# Altium PCB HRADC_Board_v2_0.PcbDoc (part 3 of 4)
Units mm, origin at the board's own origin, x right, y up, seen from the top; angles counter-clockwise.
Board outline 160 x 100 mm, 4 copper layers (Top Layer, Power Plane, Ground Planes, Bottom Layer); 306 components, 238 nets, 1267 pads, 372 vias.
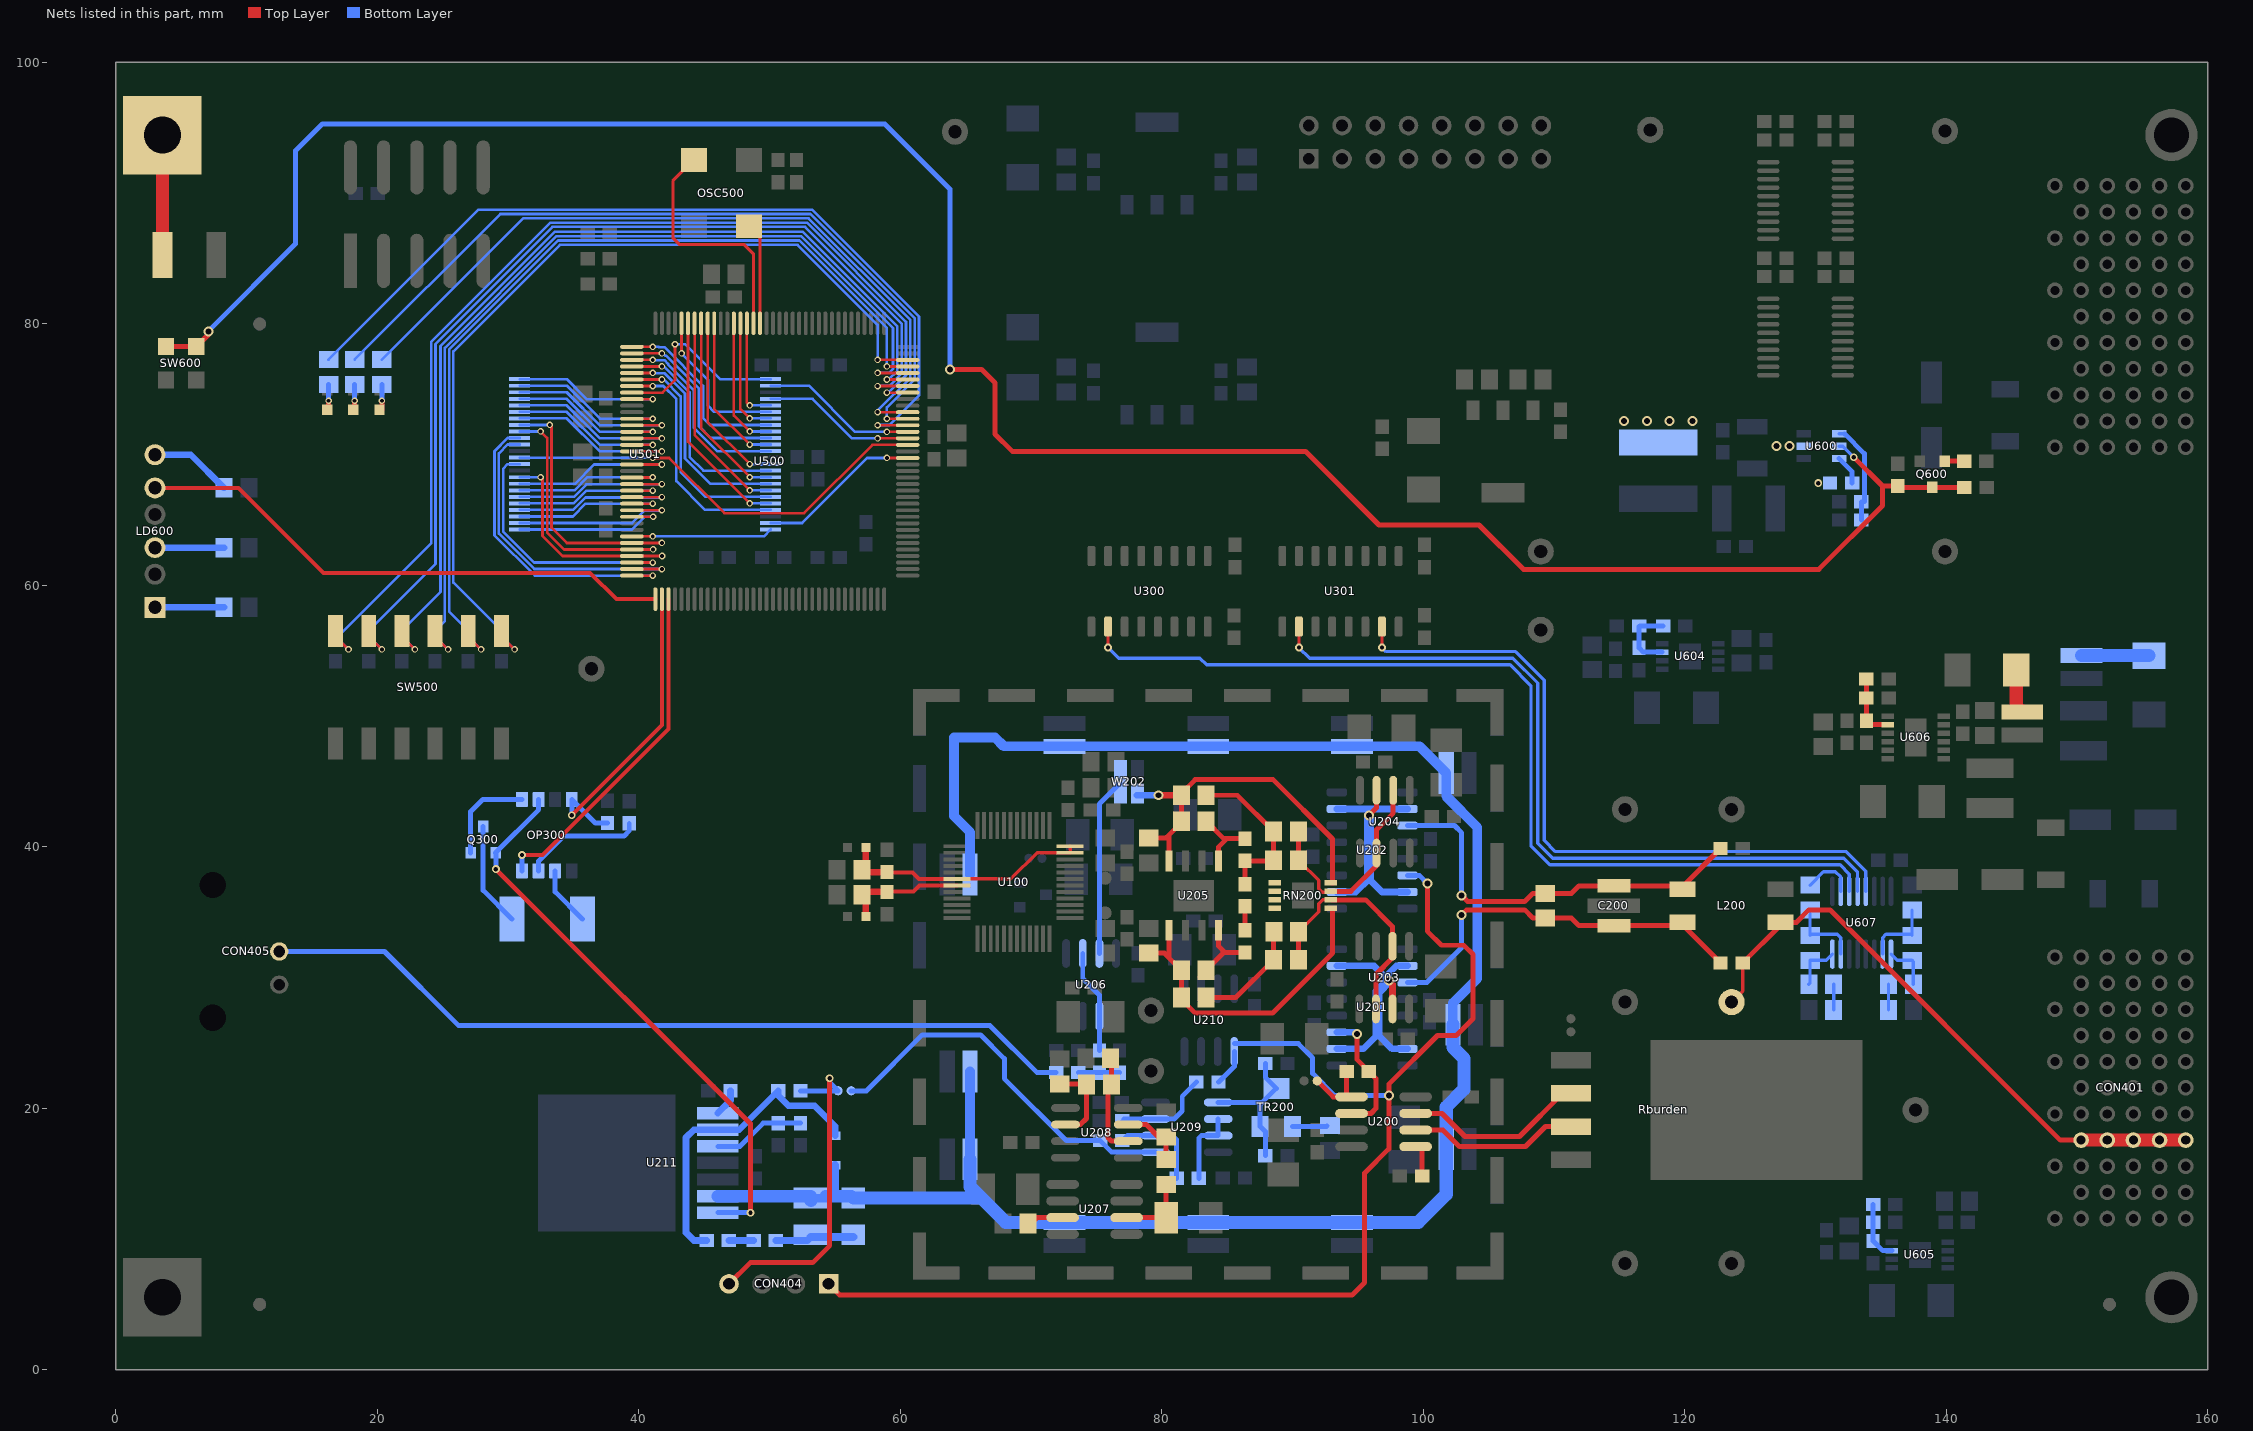
[diagram p5: the nets of this part, all layers, seen from the top]

## Via types
v1: diameter 0.762, hole 0.457, Top Layer to Bottom Layer, 181 vias
v2: diameter 0.5, hole 0.3, Top Layer to Bottom Layer, 75 vias
v3: diameter 0.6, hole 0.33, Top Layer to Bottom Layer, 36 vias
v4: diameter 0.6, hole 0.33, Top Layer to Bottom Layer, tented bottom, 27 vias
v5: diameter 0.6, hole 0.33, Top Layer to Bottom Layer, tented top, 26 vias
v6: diameter 0.6, hole 0.3, Top Layer to Bottom Layer, 19 vias
v7: diameter 0.6, hole 0.3, Top Layer to Bottom Layer, tented bottom, 6 vias
v8: diameter 1.27, hole 0.711, Top Layer to Bottom Layer, 2 vias

## Nets (pads, with @x,y where several pads share a name; then routed paths per layer and width w, separated by ;. In a path a pad name is that pad's centre, name@x,y a point inside that pad or via, vN(x,y) a via of type N, cw(c..) or ccw(c..) an arc to the next point about the centre after c; other vN are vias at no path point) (continued)
HRADC_VIN_P: CON401.A8 CON401.B8 CON401.C8 CON401.D8 CON401.E8 L200.1 PT200.1 R200.1 | length 46.1
  Top Layer w0.254: PT200.1@123.6,28.125 124.45,28.975 R200.1@124.45,31.125
  Top Layer w0.381: R200.1@124.45,31.125 L200.1@127.35,34.025 ; L200.1@127.35,34.23 128.558,34.23 129.51,35.182 131.125,35.182 148.735,17.572 CON401.E8@150.33,17.572
  Top Layer w1: CON401.E8@150.33,17.572 CON401.D8@152.33,17.572 CON401.C8@154.33,17.572 CON401.B8@156.33,17.572 CON401.A8@158.33,17.572
LED_MODE0: R509.1 U500.134 | length 58.5
  Top Layer w0.203: v2(58.275,73.25) U500.134@60.575,73.25
  Bottom Layer w0.203: R509.1@20.35,77.272 31.162,88.084 52.992,88.084 60.774,80.302 60.774,75.873 58.275,73.373 v2(58.275,73.25)
LED_MODE1: R510.1 U500.133 | length 60.9
  Top Layer w0.203: v2(58.975,72.75) U500.133@60.575,72.75
  Bottom Layer w0.203: R510.1@18.27,77.272 29.412,88.414 53.128,88.414 61.105,80.438 61.105,75.736 58.975,73.606 v2(58.975,72.75)
LED_MODE2: R511.1 U500.132 | length 65.7
  Top Layer w0.203: v2(58.275,72.25) U500.132@60.575,72.25
  Bottom Layer w0.203: R511.1@16.275,77.272 27.748,88.745 53.265,88.745 61.435,80.575 61.435,74.533 59.173,72.271 58.296,72.271 v2(58.275,72.25)
LED_STATUS: LD600.5 U500.73 | length 41.8
  Top Layer w0.3: LD600.5@3,67.46 9.39,67.46 15.9,60.95 36.284,60.95 38.285,58.95 U500.73@41.275,58.95
MEAS_MONIT: CON405.1 R215.1 | length 63.3
  Bottom Layer w0.381: CON405.1@12.5,32 20.55,32 26.225,26.325 66.875,26.325 70.45,22.75 R215.1@71.925,22.75
MEM_A0: U500.44 U501.25 | length 14.9
  Top Layer w0.203: U500.44@39.475,74.75 41.825,74.75 42.775,75.7 v2(42.775,78.45)
  Bottom Layer w0.203: v2(42.775,78.45) 43.55,78.45 46.225,75.775 U501.25@50.095,75.775
MEM_A1: U500.45 U501.24 | length 12.4
  Top Layer w0.203: U500.45@39.475,74.25 v2(41.075,74.25)
  Bottom Layer w0.203: U501.24@30.895,75.775 34.495,75.775 36.02,74.25 v2@41.05,74.25
MEM_A2: U500.48 U501.23 | length 12.8
  Top Layer w0.203: U500.48@39.475,72.75 v2(41.075,72.75)
  Bottom Layer w0.203: U501.23@30.895,75.275 34.495,75.275 37.02,72.75 v2(41.075,72.75)
MEM_A3: U500.49 U501.22 | length 14.2
  Top Layer w0.203: U500.49@39.475,72.25 v2(41.775,72.25)
  Bottom Layer w0.203: U501.22@30.895,74.775 34.495,74.775 37.02,72.25 v2(41.775,72.25)
MEM_A4: U500.50 U501.21 | length 12.8
  Top Layer w0.203: U500.50@39.475,71.75 v2(41.075,71.75)
  Bottom Layer w0.203: U501.21@30.895,74.275 34.495,74.275 37.02,71.75 v2(41.075,71.75)
MEM_A5: U500.51 U501.20 | length 14.2
  Top Layer w0.203: U500.51@39.475,71.25 v2(41.775,71.25)
  Bottom Layer w0.203: U501.20@30.895,73.775 34.495,73.775 37.02,71.25 v2(41.775,71.25)
MEM_A6: U500.52 U501.19 | length 12.8
  Top Layer w0.203: U500.52@39.475,70.75 v2(41.075,70.75)
  Bottom Layer w0.203: U501.19@30.895,73.275 34.495,73.275 37.02,70.75 v2(41.075,70.75)
MEM_A7: U500.53 U501.18 | length 14.2
  Top Layer w0.203: U500.53@39.475,70.25 v2(41.775,70.25)
  Bottom Layer w0.203: U501.18@30.895,72.775 34.495,72.775 37.02,70.25 v2(41.775,70.25)
MEM_A8: U500.55 U501.8 | length 13.8
  Top Layer w0.203: U500.55@39.475,69.25 v2(41.775,69.25)
  Bottom Layer w0.203: U501.8@30.895,67.775 35.12,67.775 36.595,69.25 v2(41.775,69.25)
MEM_A9: U500.57 U501.7 | length 12.2
  Top Layer w0.203: U500.57@39.475,68.25 41.05,68.25 v2(41.075,68.275)
  Bottom Layer w0.203: U501.7@30.895,67.275 35.087,67.275 36.087,68.275 v2(41.075,68.275)
MEM_A10: U500.58 U501.6 | length 13.6
  Top Layer w0.203: U500.58@39.475,67.75 v2(41.775,67.75)
  Bottom Layer w0.203: U501.6@30.895,66.775 35.054,66.775 36.008,67.729 41.754,67.729 v2(41.775,67.75)
MEM_A11: U500.59 U501.5 | length 12.2
  Top Layer w0.203: U500.59@39.475,67.25 v2(41.075,67.25)
  Bottom Layer w0.203: U501.5@30.895,66.275 35.021,66.275 35.996,67.25 v2(41.075,67.25)
MEM_A12: U500.60 U501.4 | length 13.6
  Top Layer w0.203: U500.60@39.475,66.75 v2(41.775,66.75)
  Bottom Layer w0.203: U501.4@30.895,65.775 34.988,65.775 35.941,66.729 41.754,66.729 v2(41.775,66.75)
MEM_A13: U500.61 U501.3 | length 12.2
  Top Layer w0.203: U500.61@39.475,66.25 v2(41.075,66.25)
  Bottom Layer w0.203: U501.3@30.895,65.275 34.955,65.275 35.93,66.25 v2(41.075,66.25)
MEM_A14: U500.62 U501.2 | length 13.6
  Top Layer w0.203: U500.62@39.475,65.75 v2(41.775,65.75)
  Bottom Layer w0.203: U501.2@30.895,64.775 39.503,64.775 40.457,65.729 41.754,65.729 v2(41.775,65.75)
MEM_A15: U500.63 U501.1 | length 12.2
  Top Layer w0.203: U500.63@39.475,65.25 v2(41.095,65.25)
  Bottom Layer w0.203: U501.1@30.895,64.275 39.47,64.275 40.445,65.25 v2(41.095,65.25)
MEM_A16: U500.66 U501.48 | length 10.8
  Top Layer w0.203: U500.66@39.475,63.75 v2(41.075,63.75)
  Bottom Layer w0.203: v2(41.075,63.75) 49.57,63.75 U501.48@50.095,64.275
MEM_A17: U500.67 U501.17 | length 19.1
  Top Layer w0.203: v2(33.195,72.275) 33.325,72.145 33.325,64.42 34.499,63.246 39.471,63.246 U500.67@39.475,63.25 v2(41.775,63.25)
  Bottom Layer w0.203: U501.17@30.895,72.275 v2(33.195,72.275)
MEM_A18: U500.68 U501.16 | length 18.2
  Top Layer w0.203: v2(32.495,71.775) 32.995,71.275 32.995,64.05 34.295,62.75 U500.68@39.475,62.75 v2(41.095,62.75)
  Bottom Layer w0.203: U501.16@30.895,71.775 v2(32.495,71.775)
MEM_A19: U500.69 U501.9 | length 15.9
  Top Layer w0.203: v2(32.495,68.275) 32.645,68.125 32.645,63.775 34.17,62.25 U500.69@39.475,62.25 v2(41.795,62.25)
  Bottom Layer w0.203: U501.9@30.895,68.275 v2(32.495,68.275)
MEM_BYTE: U500.127 U501.47 | length 12.5
  Top Layer w0.203: v2(58.975,69.75) U500.127@60.575,69.75
  Bottom Layer w0.203: U501.47@50.095,64.775 52.5,64.775 57.475,69.75 v2(58.975,69.75)
MEM_CE: U500.131 U501.26 | length 11.9
  Top Layer w0.203: v2(58.975,71.75) U500.131@60.575,71.75
  Bottom Layer w0.203: U501.26@50.095,75.275 53.025,75.275 56.55,71.75 v2(58.975,71.75)
MEM_DQ0: U500.22 U501.29 | length 8
  Top Layer w0.203: U500.22@48.275,80.05 48.275,73.995 v2(48.495,73.775)
  Bottom Layer w0.203: v2(48.495,73.775) U501.29@50.095,73.775
MEM_DQ1: U500.23 U501.31 | length 9.2
  Top Layer w0.203: U500.23@47.775,80.05 47.775,73.495 v2(48.495,72.775)
  Bottom Layer w0.203: v2(48.495,72.775) U501.31@50.095,72.775
MEM_DQ2: U500.24 U501.33 | length 10.4
  Top Layer w0.203: U500.24@47.275,80.05 47.275,72.995 v2(48.495,71.775)
  Bottom Layer w0.203: v2(48.495,71.775) U501.33@50.095,71.775
MEM_DQ3: U500.27 U501.35 | length 12
  Top Layer w0.203: U500.27@45.775,80.05 45.775,73.495 v2(48.495,70.775)
  Bottom Layer w0.203: v2(48.495,70.775) U501.35@50.095,70.775
MEM_DQ4: U500.28 U501.38 | length 13.7
  Top Layer w0.203: U500.28@45.275,80.05 45.275,72.495 v2(48.495,69.275)
  Bottom Layer w0.203: v2(48.495,69.275) U501.38@50.095,69.275
MEM_DQ5: U500.29 U501.40 | length 14.9
  Top Layer w0.203: U500.29@44.775,80.05 44.775,71.995 v2(48.495,68.275)
  Bottom Layer w0.203: v2(48.495,68.275) U501.40@50.095,68.275
MEM_DQ6: U500.30 U501.42 | length 16.1
  Top Layer w0.203: U500.30@44.275,80.05 44.275,71.495 v2(48.495,67.275)
  Bottom Layer w0.203: v2(48.495,67.275) U501.42@50.095,67.275
MEM_DQ7: U500.31 U501.44 | length 17.3
  Top Layer w0.203: U500.31@43.775,80.05 43.775,70.995 v2(48.495,66.275)
  Bottom Layer w0.203: v2(48.495,66.275) U501.44@50.095,66.275
MEM_DQ8: U500.32 U501.30 | length 12.1
  Top Layer w0.203: v2(43.275,77.75) U500.32@43.275,80.05
  Bottom Layer w0.203: v2(43.275,77.75) 45.3,75.725 45.3,73.75 45.775,73.275 U501.30@50.095,73.275
MEM_DQ9: U500.37 U501.32 | length 14.6
  Top Layer w0.203: U500.37@39.475,78.25 v2(41.075,78.25)
  Bottom Layer w0.203: v2(41.075,78.25) 41.525,78.25 41.562,78.213 41.577,78.229 41.973,78.229 44.93,75.272 44.93,72.795 45.45,72.275 U501.32@50.095,72.275
MEM_DQ10: U500.38 U501.34 | length 15
  Top Layer w0.203: U500.38@39.475,77.75 v2(41.775,77.75)
  Bottom Layer w0.203: v2(41.775,77.75) 41.843,77.75 42.034,77.559 42.11,77.559 44.6,75.069 44.6,72.175 45.5,71.275 U501.34@50.095,71.275
MEM_DQ11: U500.39 U501.36 | length 15.2
  Top Layer w0.203: U500.39@39.475,77.25 v2(41.075,77.25)
  Bottom Layer w0.203: v2(41.075,77.25) 41.096,77.229 41.973,77.229 42.254,76.948 42.254,76.882 44.225,74.911 44.225,72.05 46,70.275 U501.36@50.095,70.275
MEM_DQ12: U500.40 U501.39 | length 16.8
  Top Layer w0.203: U500.40@39.475,76.75 v2(41.775,76.75)
  Bottom Layer w0.203: v2(41.775,76.75) 41.919,76.75 43.895,74.774 43.895,69.83 44.95,68.775 U501.39@50.095,68.775
MEM_DQ13: U500.41 U501.41 | length 17
  Top Layer w0.203: U500.41@39.475,76.25 v2(41.075,76.25)
  Bottom Layer w0.203: v2(41.075,76.25) 41.096,76.229 41.973,76.229 43.535,74.666 43.535,69.723 45.483,67.775 U501.41@50.095,67.775
MEM_DQ14: U500.42 U501.43 | length 17.7
  Top Layer w0.203: U500.42@39.475,75.75 v2(41.775,75.75)
  Bottom Layer w0.203: v2(41.775,75.75) 41.917,75.75 43.205,74.462 43.205,68.67 45.1,66.775 U501.43@50.095,66.775
MEM_DQ15: U500.43 U501.45 | length 18.2
  Top Layer w0.203: U500.43@39.475,75.25 v2(41.075,75.25)
  Bottom Layer w0.203: v2(41.075,75.25) 41.875,75.25 42.875,74.25 42.875,67.975 45.075,65.775 U501.45@50.095,65.775
MEM_OE: U500.130 U501.28 | length 11.7
  Top Layer w0.203: v2(58.275,71.25) U500.130@60.575,71.25
  Bottom Layer w0.203: U501.28@50.095,74.275 53.3,74.275 56.325,71.25 v2(58.275,71.25)
MEM_RESET: U500.129 U501.12 | length 33.6
  Top Layer w0.203: v2(41.075,69.75) 42.325,69.75 46.55,65.525 52.65,65.525 57.875,70.75 U500.129@60.575,70.75
  Bottom Layer w0.203: U501.12@30.895,69.775 30.899,69.771 v2@41.1,69.771
MEM_RYBY: U500.72 U501.15 | length 23.8
  Top Layer w0.203: U500.72@39.475,60.75 v2(41.075,60.75)
  Bottom Layer w0.203: U501.15@30.895,71.275 29.978,71.275 28.965,70.262 28.965,63.835 32.05,60.75 v2(41.075,60.75)
MEM_WE: U500.70 U501.11 | length 20.3
  Top Layer w0.203: U500.70@39.475,61.75 v2(41.075,61.75)
  Bottom Layer w0.203: U501.11@30.895,69.275 29.978,69.275 29.625,68.922 29.625,64.109 31.984,61.75 v2(41.075,61.75)
MEM_WP: U500.71 U501.14 | length 23.9
  Top Layer w0.203: U500.71@39.475,61.25 v2(41.775,61.25)
  Bottom Layer w0.203: U501.14@30.895,70.775 29.978,70.775 29.295,70.092 29.295,63.972 32.017,61.25 v2(41.775,61.25)
NetC104_1: C104.1 C105.1 L100.1 U100.19 | length 9
  Top Layer w0.3: C104.1@59,36.575 61.005,36.575 61.48,37.05 U100.19@64.35,37.05
  Top Layer w0.508: C105.1@57.075,36.375 57.375,36.075 L100.1@57.375,34.675 ; C105.1@57.375,36.575 C104.1@59,36.575
NetC218_1: C218.1 R210.2 U205.8 | length 5.4
  Top Layer w0.381: C218.1@83.4,30.575 84.746,31.921 84.834,31.921 ; U205.8@84.355,33.621 84.355,32.4 84.834,31.921 ; R210.2@86.375,31.921 84.834,31.921
NetC218_2: C218.2 R208.2 R212.1 RN200.1 U205.5 | length 24.8
  Top Layer w0.381: R212.1@78.9,31.871 80.204,31.871 80.545,31.53 ; U205.5@80.545,33.621 80.545,31.53 ; RN200.1@93.072,35.3 93.072,31.872 88.48,27.28 82.566,27.28 81.5,28.346 R208.2@81.5,28.475 C218.2@81.5,30.575 80.545,31.53
NetC219_1: C219.1 R211.2 U205.1 | length 5.5
  Top Layer w0.381: C219.1@83.4,41.975 84.746,40.629 84.979,40.629 ; U205.1@84.355,38.929 84.355,40.005 84.979,40.629 ; R211.2@86.375,40.629 84.979,40.629
NetC219_2: C219.2 R209.2 R213.1 RN200.4 U205.4 W202.2 | length 27.7
  Top Layer w0.381: R213.1@79.015,40.679 80.329,40.679 80.545,40.895 ; U205.4@80.545,38.929 80.545,40.895 ; C219.2@81.5,41.85 80.545,40.895 ; C219.2@81.5,41.975 R209.2@81.5,43.95 81.5,44.079 82.566,45.144 88.528,45.144 93.072,40.6 RN200.4@93.072,37.25
  Top Layer w0.508: v1(79.75,43.95) R209.2@81.5,43.95
  Bottom Layer w0.508: W202.2@78.1,43.95 v1(79.75,43.95)
NetC220_1: C220.1 R206.2 R207.2 R209.1 R211.1 RN200.5 RN200.6 | length 12.5
  Top Layer w0.381: R209.1@83.4,43.95 85.794,43.95 R206.2@88.569,41.175 R207.2@88.569,38.979 ; C220.1@86.375,37.15 R211.1@86.375,38.929 88.519,38.929 R207.2@88.569,38.879
NetC220_2: C220.2 R204.2 R205.2 R208.1 R210.1 RN200.7 RN200.8 | length 10.3
  Top Layer w0.381: R208.1@83.4,28.475 85.668,28.475 R205.2@88.568,31.375 R204.2@88.568,33.493 ; R210.1@86.375,33.621 C220.2@86.375,35.45
NetC228_2: C228.2 R214.1 R215.2 | length 3.2
  Bottom Layer w0.381: R215.2@73.625,22.75 76.75,22.75 C228.2@76.775,22.725
NetC230_1: C230.1 R216.1 U207.6 | length 5.6
  Top Layer w0.381: U207.6@77.32,11.64 C230.1@80.35,11.64 R216.1@80.35,14.18
NetC231_2: C231.2 R216.2 U208.3 | length 5
  Top Layer w0.381: U208.3@77.445,18.76 78.815,18.76 79.765,17.81 C231.2@80.35,17.81 R216.2@80.35,16.08
NetC233_2: C233.2 U207.3 | length 2.6
  Top Layer w0.381: C233.2@70.025,11.19 70.475,11.64 U207.3@72.47,11.64
NetC234_1: C234.1 R217.1 U208.2 | length 7.8
  Top Layer w0.381: R217.1@76.1,23.825 76.15,23.775 C234.1@76.15,21.825 75.901,21.575 75.901,17.755 76.165,17.49 U208.2@77.445,17.49
NetC234_2: C234.2 R218.1 U208.6 | length 6.5
  Top Layer w0.381: R218.1@72.2,21.875 74.2,21.875 C234.2@74.25,21.825 74.25,19.225 73.785,18.76 U208.6@72.645,18.76
NetC236_2: C236.2 R219.1 TR200.2 TR200.3 U209.5 | length 11.5
  Bottom Layer w0.381: U209.5@84.325,20.455 87.705,20.455 ; C236.2@87.925,16.375 87.925,18.225 TR200.3@87.525,18.625 87.525,20.275 87.705,20.455 ; R219.1@87.925,23.425 87.925,22.375 TR200.2@88.775,21.525 87.705,20.455
NetC240_1: C240.1 C241.1 R227.2 | length 6
  Bottom Layer w0.508: R227.2@50.485,9.895 52.905,9.895 C241.1@53.17,10.16 ; C240.1@56.41,10.16 C240.1@56.42,10.17
  Bottom Layer w0.635: C241.1@53.17,10.16 C240.1@56.41,10.16
NetC240_2: C240.2 C241.2 D200.2 R230.1 R231.2 R232.1 R233.2 R234.1 R235.2 R236.1 R237.2 R238.1 R239.2 R240.1 R241.2 U211.6 | length 154.5
  Bottom Layer w0.635: C241.2@53.17,13.129 54.13,13.129 C241.2@54.286,13.285 ; 54.995,13.285 55.02,13.31 D200.2@55.02,15.645
  Bottom Layer w0.75: R231.2@65.35,16.1 R230.1@65.35,22.825 ; R241.2@65.35,37.875 65.35,41.125 64.115,42.36 64.115,48.37 67.245,48.37 67.92,47.695 R240.1@72.56,47.695 R239.2@83.56,47.695 R238.1@94.56,47.695 99.725,47.695 R237.2@101.77,45.65 101.77,43.87 104.145,41.495 104.145,29.925 102.27,28.05 R236.1@102.27,26.4
  Bottom Layer w0.95: U211.6@46.05,13.285 C241.2@53.17,13.285 ; C241.2@54.286,13.285 54.995,13.285 C240.2@56.264,13.285
  Bottom Layer w1: C241.2@53.085,13.045 C241.2@53.17,12.96 ; C240.2@56.42,13.129 66.22,13.129 ; R231.2@65.35,16.1 65.35,14 68.075,11.275 R232.1@72.56,11.275 R233.2@83.56,11.275 R234.1@94.56,11.275 99.625,11.275 101.77,13.42 R235.2@101.77,16.9 101.77,20.1 103.12,21.45 103.12,23.82 102.27,24.67 R236.1@102.27,26.4
NetC243_2: C243.2 R229.2 U211.3 | length 7.1
  Bottom Layer w0.381: U211.3@46.05,17.095 47.745,17.095 49.52,18.87 C243.2@50.67,18.87 R229.2@52.37,18.87
NetC600_2: C600.2 CHASSIS.1 | length 9.2
  Top Layer w1: C600.2@3.57,85.275 CHASSIS.1@3.57,94.45
NetC604_2: C604.2 Q600.1 R603.1 SW600.1 U600.5 | length 181.7
  Top Layer w0.381: SW600.1@3.835,78.27 SW600.1@6.165,78.27 7.091,79.196 v1(7.091,79.43) ; v1(63.8,76.525) 66.225,76.525 67.25,75.5 67.25,71.575 68.575,70.25 91,70.25 96.625,64.625 104.275,64.625 107.675,61.225 130.275,61.225 135.145,66.095 135.145,67.6 ; v3(132.945,69.8) 135.145,67.6 ; R603.1@141.405,67.5 Q600.1@138.955,67.5 136.405,67.5 C604.2@136.305,67.6 135.145,67.6
  Bottom Layer w0.254: U600.5@131.825,70.65 132.095,70.65 v3(132.945,69.8)
  Bottom Layer w0.381: v1@7.218,79.304 7.218,79.595 13.75,86.128 13.75,93.25 15.8,95.3 58.825,95.3 63.8,90.325 v1(63.8,76.525)
NetC605_1: C605.1 L600.1 U600.2
  other v1: 127.045,70.65 128.02,70.65 115.37,72.572 117.112,72.572 118.853,72.572 120.595,72.572
  other v3: 130.22,67.825
NetC605_2: C605.2 U600.6 | length 2.3
  Bottom Layer w0.381: U600.6@131.825,69.7 132.824,68.701 C605.2@132.824,67.825
NetC624_1: C624.1 R606.1 | length 5.2
  Bottom Layer w1: R606.1@150.35,54.625 C624.1@155.525,54.625
NetC627_1: C627.1 R607.1 R608.2 U604.3 | length 5.4
  Bottom Layer w0.381: U604.3@118.286,54.9 116.85,54.9 R607.1@116.525,55.225 116.525,56.85 116.575,56.9 R608.2@118.36,56.9
NetC633_1: C633.1 R609.1 R610.2 U605.3 | length 4.5
  Bottom Layer w0.381: C633.1@134.425,12.635 R610.2@134.425,11.285 R609.1@134.425,9.85 135.165,9.11 U605.3@135.861,9.11
NetC638_2: C638.2 R611.1 | length 3.4
  Top Layer w1: C638.2@145.372,53.525 145.372,50.778 R611.1@145.825,50.325
NetC641_1: C641.1 R612.1 R613.2 U606.8 | length 4.9
  Top Layer w0.381: C641.1@133.91,52.85 R613.2@133.91,51.4 R612.1@133.91,49.66 134.22,49.35 U606.8@135.536,49.35
NetD200_1: D200.1 R225.2 R226.1 U211.2 | length 24.1
  Bottom Layer w0.508: R226.1@45.2,9.895 44.22,9.895 43.62,10.495 43.62,17.77 44.215,18.365 U211.2@46.05,18.365 47.69,18.365 R225.2@50.67,21.345 50.67,20.98 51.45,20.2 53.45,20.2 55.02,18.63 D200.1@55.02,17.895
NetLD500_1: LD500.1 R509.2 | length 1.9
  Top Layer w0.381: LD500.1@20.35,73.425 v2(20.35,74.125)
  Bottom Layer w0.381: v2(20.35,74.125) R509.2@20.35,75.372
NetLD501_1: LD501.1 R510.2 | length 1.9
  Top Layer w0.381: LD501.1@18.27,73.425 v2(18.27,74.125)
  Bottom Layer w0.381: v2(18.27,74.125) R510.2@18.27,75.372
NetLD502_1: LD502.1 R511.2 | length 1.9
  Top Layer w0.381: LD502.1@16.275,73.425 v2(16.275,74.125)
  Bottom Layer w0.381: v2(16.275,74.125) R511.2@16.275,75.372
NetLD600_1: LD600.1 R602.1 | length 5.3
  Bottom Layer w0.508: LD600.1@3,58.32 R602.1@8.275,58.32
NetLD600_3: LD600.3 R601.2 | length 5.3
  Bottom Layer w0.508: LD600.3@3,62.89 R601.2@8.275,62.89
NetLD600_6: LD600.6 R600.1 | length 6.3
  Bottom Layer w0.508: LD600.6@3,70 5.735,70 R600.1@8.275,67.46
NetOP300_2: OP300.2 R301.2 | length 4.6
  Bottom Layer w0.381: OP300.2@33.61,38.17 33.61,36.565 R301.2@35.7,34.475
NetOP300_3: OP300.3 R300.1 | length 9.2
  Bottom Layer w0.381: OP300.3@32.34,38.17 32.34,38.915 34.25,40.825 38.875,40.825 39.275,41.225 R300.1@39.275,41.8
NetOP300_5: OP300.5 Q300.2 | length 7.5
  Bottom Layer w0.381: Q300.2@27.15,39.55 27.15,42.7 28.08,43.63 OP300.5@31.07,43.63
NetQ300_1: Q300.1 R301.1 | length 8
  Bottom Layer w0.381: Q300.1@28.1,41.55 28.1,36.675 R301.1@30.3,34.475
NetQ600_3: Q600.3 R622.2 | length 1.5
  Top Layer w0.381: Q600.3@139.905,69.5 R622.2@141.38,69.5
NetR202_1: R202.1 U200.6 U201.11 | length 9.9
  Top Layer w0.381: U200.6@94.575,19.61 96.01,19.61 96.4,20 96.4,22.275 R202.1@95.85,22.825 94.95,23.725 v1(94.95,25.7)
  Bottom Layer w0.508: U201.11@93.4,25.82 94.83,25.82 v1(94.95,25.7)
NetR202_2: R202.2 U200.5 W200.2 | length 5.1
  Top Layer w0.381: W200.2@91.9,22.1 93.12,20.88 U200.5@94.15,20.88 ; R202.2@94.15,22.825 U200.5@94.15,20.88 ; U200.5@94.575,20.88 U200.5@94.15,20.88
NetR203_2: R203.2 U200.1 | length 2.8
  Top Layer w0.381: U200.1@99.375,17.07 99.925,17.07 R203.2@99.925,14.825
NetR204_1: R204.1 R205.1 RN200.2 U203.2 U203.6 | length 18.4
  Top Layer w0.254: R204.1@90.475,33.5 92.021,35.046 92.021,35.662 92.309,35.95 RN200.2@93.072,35.95
  Top Layer w0.381: R205.1@90.475,31.382 R204.1@90.475,33.5 ; RN200.2@93.072,35.95 95.61,35.95 97.66,33.9 U203.6@97.66,32.4 97.66,31.51 96.39,30.24 U203.2@96.39,27.6
NetR206_1: R206.1 R207.1 RN200.3 U204.2 U204.6 | length 16.7
  Top Layer w0.254: R207.1@90.469,38.879 90.575,38.879 92.021,37.433 92.021,36.804 92.284,36.541 93.013,36.541 RN200.3@93.072,36.6
  Top Layer w0.381: R207.1@90.469,38.879 R206.1@90.469,41.175 ; RN200.3@93.072,36.6 94.475,36.6 96.44,38.565 U204.6@96.44,39.525 96.44,41.315 97.71,42.585 U204.2@97.71,44.325
NetR214_2: R214.2 U206.2 U206.6 | length 8
  Bottom Layer w0.381: U206.2@73.965,31.85 73.965,29.935 75.235,28.665 U206.6@75.235,27.05 R214.2@75.235,24.425
NetR220_2: R220.2 TR200.1 | length 2.6
  Bottom Layer w0.381: TR200.1@90.025,18.625 92.606,18.625 R220.2@92.65,18.669
NetR221_1: R221.1 U209.6 U209.7 | length 5.9
  Bottom Layer w0.381: R221.1@82.85,14.65 82.844,14.656 82.844,17.719 83.04,17.915 U209.7@84.325,17.915 U209.6@84.325,19.185
NetR221_2: R221.2 R222.1 U209.2 | length 7.4
  Bottom Layer w0.381: R222.1@77,17.525 77.39,17.915 U209.2@79.525,17.915 80.84,17.915 81.15,17.605 R221.2@81.15,14.65
NetR222_2: R222.2 U209.1 W203.1 | length 29.7
  Bottom Layer w0.381: W203.1@56.25,21.345 57.42,21.345 61.695,25.62 66.145,25.62 67.97,23.795 67.97,22.27 72.715,17.525 R222.2@75.3,17.525 76.18,16.645 U209.1@79.525,16.645